# KiCad board RX8-7(Finished_BeforeESPChange).kicad_pcb (continued)
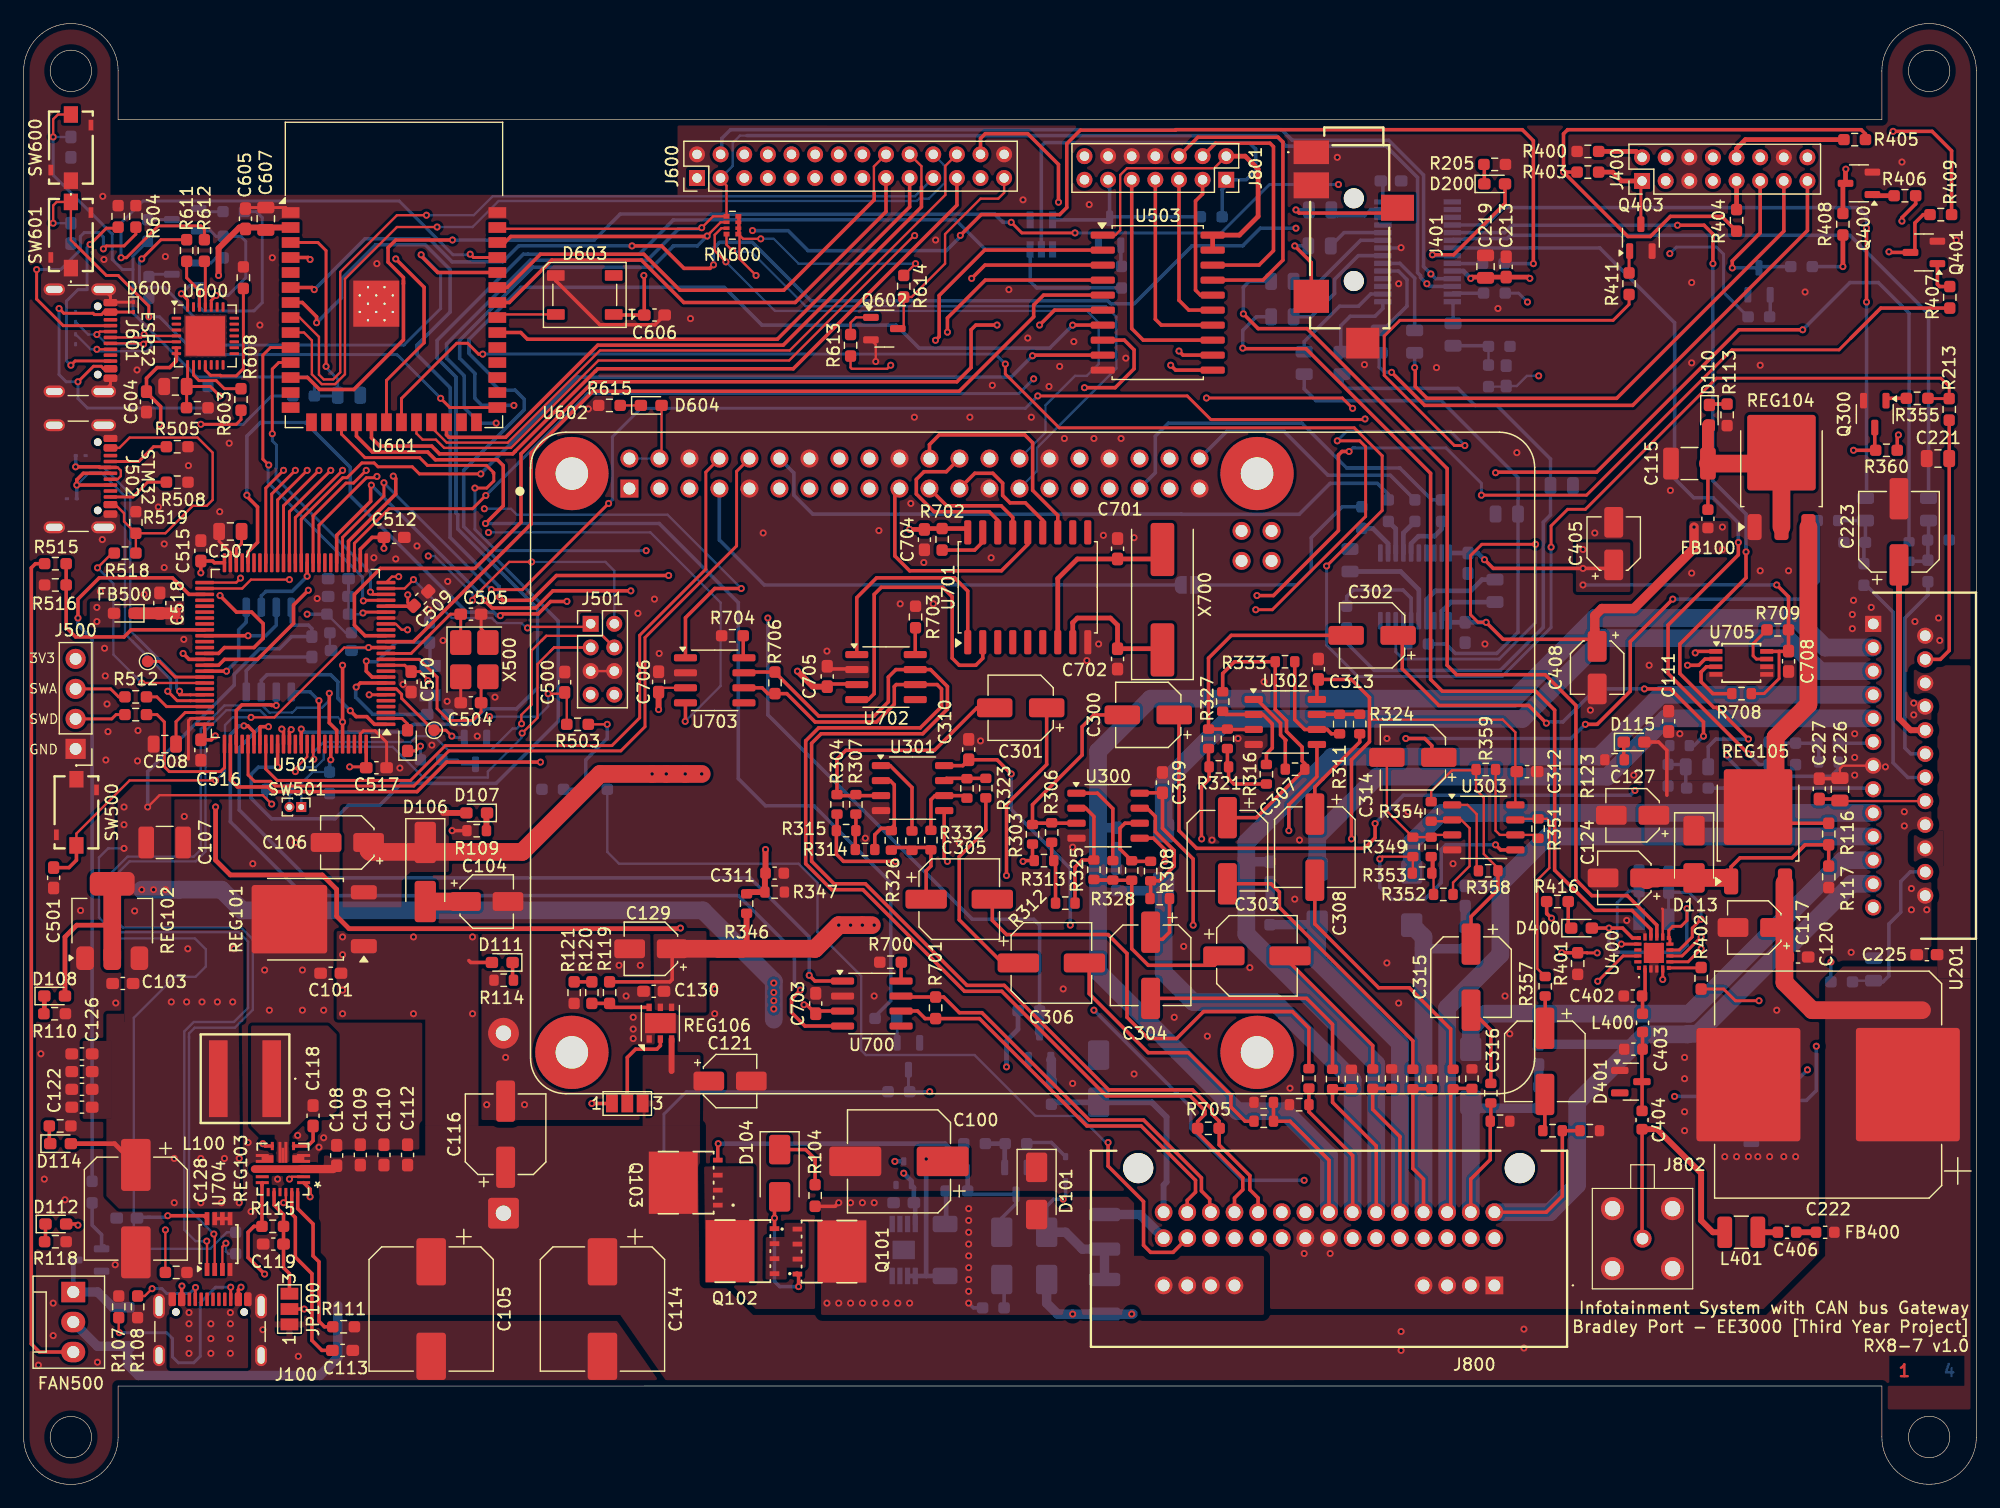
[diagram p0: board, top side]
## Routing (per net, layer and track width the routed paths; a pad name or vN(x,y) marks a point on that pad's centre or on a via; arc(x,y) is an arc through that point) (continued)
/MCU1/CCU_RX: length 36.4
  Top w0.3: U503.11 97.51,94.33 v1(97.1,94.74) ; J600.26 81,113.94 81.4,114.34 85,114.34 87.6,111.74 v1(87.6,108.54)
  In2.Cu w0.3: v1(97.1,94.74) 98.4,94.74 99.2,95.54 99.2,96.84 87.6,108.44 v1(87.6,108.54)
/MCU1/CCU_TX: length 32.8
  Top w0.3: U503.12 98.15,95.6 v1(97.8,95.94)
  In2.Cu w0.3: v1(97.8,95.94) 89.1,104.64 78.78,104.64 78.35,105.07 78.35,107.94 J600.25
/MCU1/ESP32_RX: length 28.9
  Top w0.25: v1(20.75,86.29) 20.25,86.79 20.25,95.59 20.9,96.24 U601.10 ; U501.22 28.8,74.84 v1(28.75,74.8)
  Bottom w0.25: v1(28.75,74.8) 28.7,74.85 28.7,76.79 28.36,77.13 28.36,77.15 28.04,77.47 28.02,77.47 20.7,84.79 20.7,86.24
/MCU1/ESP32_TX: length 25.5
  Top w0.25: U601.11 21.6,94.97 21.05,94.42 v1(21.05,88.94) ; U501.23 29.55,75.34 v1(29.35,75.54)
  Bottom w0.25: v1(21.05,88.94) 21.05,88.34 21.4,87.99 21.4,86.06 21.37,86.03 21.37,85.17 29.35,77.19 v1(29.35,75.54)
/MCU1/FAN_TACHO: length 17.7
  Top w0.3: R515.2 R516.1 3.6,72.54 4.4,71.74 8.5,71.74 9.1,72.34 U501.59
/MCU1/Illum_IN: length 95
  Top w0.3: v1(51.4,75.64) 44.8,75.64 43.35,74.19 39.65,74.19 v1(39,74.84) ; v1(29.43,84.59) 29.38,84.53 29.38,83.22 26.5,80.34 U501.31
  In2.Cu w0.3: v1(63,73.34) 53.7,73.34 v1(51.4,75.64)
  Bottom w0.3: R502.1 86,47.34 85.5,47.84 80.3,47.84 63,65.14 v1(63,73.34) ; v1(39,74.84) 39,75.02 v1(29.43,84.59)
  Bottom w0.8: Q500.1 R502.1
/MCU1/MT1_UH: length 70.7
  Top w0.25: U501.39 22.5,82.34 v1(26,85.84)
  In2.Cu w0.25: J600.9 65,107.54 66,106.54 66,99.59 64.43,98.02 36.08,98.02 33.75,95.69
  In2.Cu w0.3: v1(26,85.84) 26,93.13 27.91,95.04 33.11,95.04 33.75,95.69
/MCU1/MT1_UL: length 72.7
  Top w0.25: v1(27,85.84) 23,81.84 U501.38
  In2.Cu w0.2: J600.10 65.98,111.62 65.98,109.67
  In2.Cu w0.3: 65.98,109.67 65.98,107.47 66.9,106.54 66.9,99.24 65.2,97.54 36.61,97.54 33.31,94.24 29.2,94.24 27,92.04 v1(27,85.84)
/MCU1/MT1_VH: length 72
  Top w0.25: U501.41 21.5,83.34 v1(24,85.84)
  In2.Cu w0.3: J600.7 63,107.84 64.75,106.09 64.75,101.09 63.5,99.84 53.5,99.84 53.12,99.47 35.12,99.47 32.1,96.44 24.6,96.44 24,95.84 v1(24,85.84)
/MCU1/MT1_VL: length 73.3
  Top w0.25: U501.40 22,82.84 v1(25,85.84)
  In2.Cu w0.2: 64,109.24 64,111.59 J600.8
  In2.Cu w0.3: 64,109.24 64,107.74 65.38,106.36 65.38,100.22 64,98.84 57.8,98.84 57.3,99.34 55.3,99.34 54.6,98.64 35.3,98.64 32.4,95.74 27.9,95.74 25,92.84 v1(25,85.84)
/MCU1/MT1_WH: length 71.7
  Top w0.25: U501.43 20.5,84.34 v1(22,85.84)
  In2.Cu w0.3: J600.5 61,108.09 63.25,105.84 63.25,102.09 62.5,101.34 34.9,101.34 31.25,97.69 23.82,97.69 22,95.87 v1(22,85.84)
/MCU1/MT1_WL: length 74.5
  Top w0.25: U501.42 21,83.84 v1(23,85.84)
  In2.Cu w0.2: J600.6 62.02,111.57 62.02,108.32
  In2.Cu w0.3: v1(23,85.84) 23,96.16 23.88,97.04 31.6,97.04 35.15,100.59 63,100.59 64,101.59 64,105.84 62.02,107.82 62.02,108.32
/MCU1/MT2_UH: length 90.6
  Top w0.3: U501.63 16.5,70.34 17,70.84 19.5,70.84 20.28,71.62 20.28,72.87 19.3,73.84 18.02,73.84 v1(16.62,75.24)
  In2.Cu w0.3: v1(16.62,75.24) 16.62,78.27 21,82.64 30.21,82.64 41.31,93.74 68.5,93.74 71,96.24 J600.15
/MCU1/MT2_UL: length 66.4
  Top w0.3: v1(31.29,85.35) 31.5,85.14 31.5,83.84 27.5,79.84 U501.29
  In2.Cu w0.3: v1(31.29,85.35) 31.3,85.36 31.3,86.64 40,95.34 67.5,95.34 69.4,97.24 69.4,107.54 69,107.94 J600.13
/MCU1/MT2_VH: length 91
  Top w0.3: U501.64 14,69.84 v1(13.5,70.34)
  In2.Cu w0.2: J600.14 70,111.59 70,109.54
  In2.Cu w0.3: v1(13.5,70.34) 12.55,71.29 12.55,75.64 20.85,83.94 30.8,83.94 38.7,91.84 38.7,92.39 40.95,94.64 68.3,94.64 70.3,96.64 70.3,107.94 70,108.24 70,109.54
/MCU1/MT2_VL: length 70.6
  Top w0.25: v1(29.91,85.33) 29.91,85.25 29.87,85.22 29.01,85.22 25,81.21 U501.34
  In2.Cu w0.2: J600.12 68.02,111.57 68.02,110.02
  In2.Cu w0.3: v1(29.91,85.33) 30.5,85.92 30.5,88.34 38.5,96.34 67.25,96.34 68.5,97.59 68.5,107.44 68.02,107.92 68.02,110.02
/MCU1/MT2_WH: length 99.6
  Top w0.3: v1(24.1,75.69) 22.85,74.44 22.85,72.89 19.8,69.84 17,69.84 16.5,69.34 U501.65
  In2.Cu w0.2: 72,109.54 72,111.59 J600.16
  In2.Cu w0.3: 72,109.54 72,95.99 69.05,93.04 42.28,93.04 36.78,87.54 36.78,87.47 31.05,81.74 21.5,81.74 17.65,77.89 17.65,76.09 18.05,75.69 v1(24.1,75.69)
/MCU1/MT2_WL: length 67.6
  Top w0.25: v1(29,85.84) 27.92,84.77 27.29,84.77 24.5,81.98 U501.35
  In2.Cu w0.3: v1(29,85.84) 29,87.84 38.2,97.04 66.2,97.04 67.8,98.64 67.8,107.04 67,107.84 J600.11
/MCU1/NRST: length 40.9
  Top w0.2: v1(19.25,64.93) 21.22,64.93 27.13,70.84 v1(29.2,70.84) ; v1(16.25,59.59) 8.97,59.59 4.47,55.09 SW500.2
  Top w0.3: C501.2 3.84,52.21 4.47,52.84 SW500.2 ; U501.14 v1(29.2,70.84)
  Bottom w0.2: v1(16.25,59.59) 17.05,60.39 17.05,64.28 17.7,64.93 v1(19.25,64.93)
  Bottom w0.3: v1(29.2,70.84) 27.9,70.84 27.8,70.74
/MCU1/OUT1Hz: length 8.5
  Top w0.25: v1(36.25,63.34) 35.75,63.84 TP500.1 34.7,63.84 32,66.54 32,66.89 31.54,67.34 U501.7
  Bottom w0.25: Q502.2 36.36,63.23 v1(36.25,63.34)
/MCU1/OUT25MHz: length 5.4
  Top w0.25: U501.67 12.82,68.34 11.5,69.67 TP501.1
/MCU1/PA2: length 19.5
  Top w0.2: v1(42.65,72.51) 42.74,72.59 47.75,72.59 48,72.84 ; v1(33,76.59) 32.25,75.84 U501.24
  Bottom w0.2: v1(42.65,72.51) 42.55,72.51 42.14,72.91 40.08,72.91 39.89,73.1 39.88,73.1 39.64,73.34 36.25,73.34 v1(33,76.59)
/MCU1/PA3: length 28.4
  Top w0.2: v1(38,74.84) 38,74.99 41.1,78.09 v1(43,78.09) ; v1(31.75,76.84) 31.17,76.84 U501.25
  In2.Cu w0.2: v1(34.25,78.59) 33.5,78.59 v1(31.75,76.84)
  Bottom w0.2: v1(43,78.09) 49.25,78.09 50,77.34 50,72.84 ; v1(34.25,78.59) 34.79,78.59 38,75.39 v1(38,74.84)
/MCU1/PB4: length 41.4
  Top w0.2: 44.56,70.51 43.5,69.44 43.5,64.89 v1(42.2,63.59) ; 44.56,70.51 44.9,70.84 48,70.84 ; 44.56,70.51 44.91,70.85 J501.3 ; U501.90 24,61.59 23,60.59 v1(23,60.34)
  Bottom w0.2: v1(42.2,63.59) 42.15,63.54 42.15,63.19 39.3,60.34 39.3,59.84 33.83,59.84 31.23,62.44 25.7,62.44 25.4,62.14 25.4,61.37 24.73,60.71 23.36,60.71 v1(23,60.34)
/MCU1/PB5: length 37.9
  Top w0.2: 43.85,71.45 44.24,71.83 ; 43.85,71.45 43,70.59 43,66.01 42.13,65.15 42.13,64.41 v1(42.15,64.39) ; 43.85,71.45 44.24,71.83 49.01,71.83 50,70.84 ; v1(24.56,61.39) 24.5,61.45 U501.91 ; 49.02,71.83 J501.4
  Bottom w0.2: v1(42.15,64.39) 41.74,63.99 41.39,63.99 39.5,62.09 36,62.09 34.75,63.34 33.25,63.34 32.75,62.84 25.4,62.84 24.56,62.01 v1(24.56,61.39)
/MCU1/QSPI_CLK: length 6.7
  Top w0.3: v1(24,76.88) U501.36
  Bottom w0.3: v1(24,76.88) 22.71,75.59 20.5,75.59 20.11,75.21 U502.6
/MCU1/QSPI_CS: length 6.3
  Top w0.3: v1(25,66.34) U501.92
  Bottom w0.3: U502.1 24.26,67.08 v1(25,66.34)
/MCU1/QSPI_D0: length 8
  Top w0.3: U501.66 v1(17.17,68.84)
  Bottom w0.3: U502.5 18.84,72.99 18.2,72.34 18.2,69.87 v1(17.17,68.84)
/MCU1/QSPI_D1: length 7.6
  Top w0.3: U501.78 18,65.51 18.48,65.99 20.95,65.99 21,65.94 v1(21.38,65.94)
  Bottom w0.3: v1(21.38,65.94) U502.2
/MCU1/QSPI_D2: length 14.3
  Top w0.3: U501.1 29.7,64.34 29.05,64.99 28.15,64.99 v1(27.65,65.49)
  Bottom w0.3: v1(27.65,65.49) 26.6,66.54 26.6,67.94 26,68.54 20.6,68.54 20.11,68.06 U502.3
/MCU1/QSPI_D3: length 8
  Top w0.3: U501.60 v1(19,71.84)
  Bottom w0.3: U502.7 21.38,72.73 20.5,71.84 v1(19,71.84)
/MCU1/RS_MODE: length 104
  Top w0.3: v1(22.65,63.9) 22.5,63.75 U501.87 ; v1(78.2,97.54) 78.2,98.74 81.41,101.95 91.35,101.95
  In2.Cu w0.3: v1(22.65,63.9) 22.65,64.39 22.85,64.59 24.95,64.59 26.9,62.64 29.73,62.64 31.03,61.34 39.6,61.34 41.5,63.24 41.5,65.93 42,66.43 42,87.43 42.5,87.93 42.5,88.44 43.9,89.84 50.46,89.84 51.61,90.99 70.82,90.99 71.97,92.14 73.4,92.14 77.46,96.2 77.46,96.2 77.84,96.58 77.84,96.58 78.2,96.94 v1(78.2,97.54)
/MCU1/STM32_RX: length 61.1
  Top w0.25: U602.8 57.75,85.69 57.75,77.48 52.15,71.88 52.15,64.89 49.8,62.54 35.7,62.54 32.75,59.59 21.46,59.59 20.5,60.55 U501.83
/MCU1/STM32_TX: length 65
  Top w0.25: U501.80 19,60.06 19.54,59.52 20.9,59.52 21.3,59.12 33.03,59.12 36,62.09 50.55,62.09 52.6,64.14 52.6,71.69 60.35,79.44 60.35,85.75 U602.10
/MCU1/U1LCD_CS: length 76.9
  Top w0.3: U501.15 33,71.34 42.96,81.3 42.96,87.3 48.2,92.54 79.2,92.54 85.5,98.84 85.5,99.84 86.34,100.68 U503.5
/MCU1/U1LCD_EN: length 135.5
  Top w0.3: v1(21.5,60.72) U501.85 ; v1(88.8,98.14) U503.7
  Bottom w0.3: v1(88.8,98.14) 86.86,96.19 75.8,96.19 73.85,98.14 62.5,98.14 59.3,101.34 42.11,101.34 37.7,96.93 37.7,95.74 39.45,93.99 39.45,93.49 40.3,92.64 41.6,92.64 42.38,91.87 42.38,90.97 37.25,85.84 37.25,81.09 45.25,73.09 45.25,64.59 40,59.34 32,59.34 30.15,57.49 27.5,57.49 26.35,56.34 21,56.34 19.25,58.09 19.25,60.09 19.88,60.72 v1(21.5,60.72)
/MCU1/U1LCD_MOSI: length 84.2
  Top w0.3: v1(82.4,98.14) 80.6,98.14 80.2,97.74 80.2,94.54 79,93.34 48.2,93.34 42.1,87.24 42.1,81.44 38.2,77.54 30.2,77.54 28,75.34 28,72.74 28.9,71.84 U501.16 ; 91.35,99.41 87.26,99.41 v1(86,98.14)
  In2.Cu w0.3: v1(82.4,98.14) v1(86,98.14)
/MCU1/U1LCD_SCK: length 120
  Top w0.3: U501.46 19,78.94 19.8,79.74 19.8,82.74 18.9,83.64 v1(18.9,83.74) ; v1(80.25,102.09) 81.38,103.22 U503.3 ; v1(45.99,74.75) 45.98,74.74 44.61,74.74 43.56,73.69 40.5,73.69 v1(40.35,73.54)
  In2.Cu w0.3: v1(45.99,74.75) 45.1,75.64 45.1,76.94 44.3,77.74 44.3,81.84 42.6,83.54 42.6,87.32 44.31,89.02 50.38,89.02 51.75,90.39 73.7,90.39 80.25,96.94 v1(80.25,102.09)
  Bottom w0.3: v1(18.9,83.74) 18.9,88.74 20.05,89.89 23.87,89.89 27.65,86.11 27.65,83.69 37.5,73.84 39.78,73.84 40.06,73.56 40.34,73.56 v1(40.35,73.54)
/MCU1/UART7_RX: length 78.1
  Top w0.25: v1(38.7,85.54) 33.5,85.54 32.9,86.14 30,86.14 29.67,86.47 28.63,86.47 27.37,85.22 27.01,85.22 23.5,81.71 U501.37
  Top w0.3: U503.9 85.46,95.6 v1(85.4,95.54)
  Bottom w0.3: v1(38.7,85.54) 39.9,86.74 39.9,86.76 46.88,93.74 83.6,93.74 v1(85.4,95.54)
/MCU1/UART7_TX: length 111.7
  Top w0.3: v1(89.8,92.84) 92.4,92.84 94,94.44 94,96.04 93.18,96.87 91.35,96.87 ; U501.77 17.5,59.64 18.1,59.04 20.7,59.04 21.1,58.64 33.3,58.64 35.8,61.14 v1(43.75,61.14)
  In2.Cu w0.3: 50.17,87.81 50.17,78.01 43.75,71.59 v1(43.75,61.14) ; 50.17,87.81 50.47,88.12 ; 50.17,87.81 50.47,88.12 ; 50.47,88.12 51.9,89.54 86.2,89.54 89.5,92.84 v1(89.8,92.84)
/MCU1/USB_CC1: length 5.3
  Top w0.25: J502.A5 9.75,86.59 11,87.84 R505.1
/MCU1/USB_CC2: length 5.3
  Top w0.25: J502.B5 9.25,83.59 10.5,84.84 R508.1
/MCU1/USB_DN: length 32.8
  Top w0.2: J502.A7 7.96,85.09 8.23,85.36 8.23,85.83 7.96,86.09 J502.B7
  Top w0.25: U501.70 13.21,66.84 13.2,66.85 v1(13.2,67.14)
  Top w0.3: v1(4.4,86.14) 6.4,86.14 6.45,86.09 J502.B7
  Bottom w0.2: v1(4.4,86.14) 6.72,86.14 9.03,83.84 9.03,72.27 9.58,71.72
  Bottom w0.25: v1(13.2,67.14) 12.95,67.39 12.95,68.35 9.58,71.72
  Bottom w0.3: D502.2 4.41,86.35 4.4,86.34 v1(4.4,86.14)
/MCU1/USB_DP: length 34.6
  Top w0.25: v1(12.2,67.14) 13,66.34 U501.71
  Top w0.3: J502.A6 5.05,85.59 4.5,85.04 v1(4.5,84.59) J502.B6
  Bottom w0.2: v1(4.5,84.59) 5.6,85.69 6.53,85.69 8.58,83.65 8.58,72.01 9.22,71.37
  Bottom w0.25: 9.22,71.37 12.45,68.14 12.45,67.39 v1(12.2,67.14)
  Bottom w0.3: D503.2 v1(4.5,84.59)
/MCU1/WheelButton_IN: length 23.8
  Top w0.2: R503.2 45.97,66.87 C500.1 45.69,66.93 v1(44.4,66.93) ; U501.18 31.51,72.84 32,72.35 32.49,72.35 v1(32.5,72.34)
  In2.Cu w0.2: v1(39.44,64.99) 38.09,66.34 37.2,66.34 36.5,67.04 35.76,67.04 35,67.8 35,69.84 v1(32.5,72.34)
  Bottom w0.2: v1(44.4,66.93) 44.4,65.86 43.53,64.99 v1(39.44,64.99)
/MCU2/CLCD_BACK: length 18
  Top w0.2: J600.27 83,109.34 82.5,108.84 81,108.84 78,105.84 78,103.34 75.18,100.52 R614.2 74.5,97.84 Q602.1
/MCU2/CLCD_DC: length 62.5
  Top w0.3: U601.19 29.44,88.6 30.15,87.9 34.55,87.9 35.2,87.24 41.4,87.24 41.6,87.44 41.6,87.45 48.39,94.24 48.4,94.24 48.6,94.44 65.15,94.44 79,108.29 J600.23
/MCU2/CLCD_RST: length 57
  Top w0.2: U601.23 34.53,89.48 35.81,88.19 40.99,88.19 48.79,95.99 64.85,95.99 78.02,109.17 78.02,111.62 J600.24
/MCU2/CS1: length 42.2
  Top w0.3: J600.19 75,108.14 63.8,96.94 42.65,96.94 42.08,97.51 U601.32
/MCU2/CS2: length 73.5
  Top w0.2: v1(35,106.44) 31.6,106.44 27.2,102.04 27.2,93.98 26.37,93.14 25.23,93.14 24.4,93.98 24.4,96.84 23.73,97.51 U601.9
  Bottom w0.2: v1(35,106.44) 38,106.44 40.2,108.64 75.62,108.64 75.82,108.84 76.63,108.84 77.98,110.19 77.98,111.62 J600.22
/MCU2/CS3: length 70.5
  Top w0.2: v1(34.1,107.44) 31.6,107.44 26.8,102.64 26.8,94.14 26.2,93.54 25.4,93.54 25,93.94 25,97.14 23.36,98.78 U601.8
  Bottom w0.2: J600.21 75.45,109.04 39.7,109.04 38.1,107.44 v1(34.1,107.44)
/MCU2/LCD_PWM: length 67.4
  Top w0.2: U601.22 33.25,88.96 33.78,88.44 34.9,88.44 35.6,87.74 41.25,87.74 48.65,95.14 64.8,95.14 75.38,105.72 v1(75.42,105.72) ; v1(73.4,94.74) 73.1,94.44 70.1,94.44 70,94.54 R613.1
  In2.Cu w0.2: v1(75.42,105.72) 74.3,104.59 74.3,95.64 v1(73.4,94.74)
/MCU2/LED_DIN: length 5.1
  Top w0.2: U601.33 40.36,99.04 D603.4
/MCU2/PI_CS: length 14.5
  Top w0.3: U701.16 82.46,81.62 81.74,82.34 77.07,82.34 75.57,83.84 75.57,85.08 76.22,85.73 78.11,85.73 U602.24
/MCU2/PI_INT: length 19
  Top w0.3: U602.22 76.68,88.02 77.5,88.84 84.75,88.84 85.41,88.18 85.41,84.16 87.54,82.03 U701.12
/MCU2/PI_MISO: length 9.3
  Top w0.3: U701.15 83.73,81.86 82.75,82.84 78.14,82.84 U602.21
/MCU2/PI_MOSI: length 19.6
  Top w0.3: U602.19 73.75,83.91 73.75,78.59 75,77.34 82.77,77.34 85,79.57 U701.14
/MCU2/Pi_SCL: length 52.5
  Top w0.2: RN600.4 59.07,106.34 58.5,105.78 58.5,104.44 v1(59.45,103.49)
  Bottom w0.2: U602.28 86.5,89.04 86.5,91.34 89,93.84 90,93.84 91,94.84 91,98.34 90,99.34 63.6,99.34 v1(59.45,103.49)
/MCU2/PI_SCLK: length 10.9
  Top w0.3: U701.13 86.27,81.62 84.79,83.09 83.5,83.09 82.87,83.72 82.87,84.76 82.04,85.59 80.51,85.59 U602.23
/MCU2/Pi_SDA: length 54.4
  Top w0.2: RN600.5 59.5,104.94 v1(60,104.44)
  Bottom w0.2: v1(60,104.44) 60.1,104.34 61.6,104.34 66.2,99.74 91.6,99.74 92.5,98.84 92.5,94.48 85.78,87.75 85.78,85.78 U602.27
/MCU2/U6_EN: length 62.6
  Top w0.2: SW600.2 2.9,115.97 2.5,115.57 v1(2.5,114.07)
  Top w0.25: U601.3 24.91,105.13 25.6,104.44 v1(25.6,94.64)
  Bottom w0.2: C600.2 v1(2.5,114.07)
  Bottom w0.25: 9.25,102.84 9.25,99.18 14.67,93.76 24,93.76 24.61,93.14 R609.2 26.53,92.14 C603.1 26.59,93.55 25.6,94.54 v1(25.6,94.64) ; 9.25,102.84 8.36,102.84 7.5,103.71 7.5,105.84 2.5,110.84 v1(2.5,114.07) ; 9.25,102.84 9.25,103.98 R606.2
/MCU2/U6_GPIO0: length 51.9
  Top w0.2: 4.38,104.97 4,105.34 SW601.2 2.8,108.57 2.5,108.27 v1(2.5,106.77)
  Top w0.25: v1(10.6,98.84) 10.6,99.74 8,102.34 7,102.34 4.38,104.97 ; U601.27 36.08,91.16 v1(35.3,91.94)
  Bottom w0.2: v1(2.5,106.77) C602.2
  Bottom w0.25: v1(35.3,91.94) 31.6,95.64 14.7,95.64 11.5,98.84 v1(10.6,98.84) 10.6,100.42
/MCU2/U6_MISO: length 41.9
  Top w0.3: U601.34 41.11,100.05 44.7,103.64 52.29,103.64 55.88,100.05 65.31,100.05 73,107.74 J600.17
/MCU2/U6_MOSI: length 41.8
  Top w0.2: 72,109.34 71.98,109.37 71.98,111.57 J600.18
  Top w0.3: 72,109.34 72,108.74 64.35,101.09 55.55,101.09 52.5,104.14 43.75,104.14 40.93,101.32 U601.35
/MCU2/U6_SCLK: length 54.3
  Top w0.2: J600.20 76,111.59 76,109.84
  Top w0.3: 76,109.84 76,108.14 64.3,96.44 48.6,96.44 40.8,88.64 36,88.64 35.8,88.85 35.8,89.91
/MCU2/U6DTR: length 19.6
  Top w0.25: v1(13.35,100.79) 13.88,100.26 U600.28
  Bottom w0.25: R600.1 19.7,107.74 20.2,107.24 20.2,100.04 19.5,99.34 15.2,99.34 14.8,99.74 14.82,99.77 Q601.3 14.05,101.49 v1(13.35,100.79)
/MCU2/U6RTS: length 11.7
  Top w0.25: v1(16.3,100.64) 15.88,100.22 U600.24
  Bottom w0.25: v1(16.3,100.64) 17.3,100.64 18.8,102.14 18.8,105.24 18.39,105.66 R601.1 16.29,105.66 15.83,106.12 Q600.3
/MCU2/U6RXD: length 47.9
  Top w0.25: v1(10,103.74) 11.62,105.37 R611.2
  Top w0.3: U601.36 35.05,102.59 33.65,103.99 v1(33.65,104.09)
  Bottom w0.25: v1(33.65,104.09) 35.3,102.44 35.3,99.54 32.2,96.44 16.81,96.44 11.91,101.34 10.21,101.34 9.8,101.75 9.8,103.54 v1(10,103.74)
/MCU2/U6TXD: length 46.8
  Top w0.25: U601.37 38.08,103.86 v1(37.8,104.14) ; v1(8.25,103.84) 8.7,103.84 11.4,106.54 15,106.54 15.3,106.24 R612.2
  Bottom w0.25: v1(37.8,104.14) 37.75,104.09 36.35,104.09 31.8,108.64 10.1,108.64 8.25,106.79 v1(8.25,103.84)
/MCU2/USB2_CC1: length 22.3
  Top w0.25: J601.A5 3.35,98.09 1.1,100.34 v1(1.1,102.84) ; R604.1 9.5,105.84 8.5,104.84 7,104.84 v1(6.75,104.59)
  Bottom w0.25: v1(1.1,102.84) 3.14,102.84 4.8,104.5 4.8,105.64 5.13,105.97 6.37,105.97 6.75,105.59 v1(6.75,104.59)
/MCU2/USB2_CC2: length 18.1
  Top w0.25: R605.1 7.91,106.34 7,106.34 v1(5.62,104.97) ; J601.B5 7.34,95.1 4.36,95.1 v1(4,94.74)
  Bottom w0.25: v1(4,94.74) 3.63,95.12 3.63,100.17 4.6,101.14 5.37,101.14 5.37,104.72 v1(5.62,104.97)
/MCU2/USB2_D+: length 15.3
  Top w0.2: J601.A6 9.95,97.09 v1(10.2,97.34) 10.32,97.22 U600.4 ; J601.B6 v1(6.2,96.09)
  Bottom w0.2: D602.2 5.67,96.09 v1(6.2,96.09) 6.37,95.93 10.4,95.93 10.8,96.33 10.8,96.74 v1(10.2,97.34)
/MCU2/USB2_D-: length 13.5
  Top w0.2: J601.A7 10.15,96.59 10.15,96.59 v1(10.15,96.53) 10.35,96.72 U600.5 ; v1(6.2,97.34) 6.45,97.59 J601.B7
  Bottom w0.2: v1(10.15,96.53) 7.01,96.53 v1(6.2,97.34) 5.46,97.34 D601.2
/Power/ENABLE: length 148.4
  Top w0.3: JP101.1 v1(48.1,32.24) ; REG103.9 20.45,28.64 v1(20.25,28.84)
  In2.Cu w0.3: v1(88,24.14) 88,13.59 87,12.59 67.5,12.59 63.88,8.97 62.3,8.97 ; v1(20.25,28.84) 23,28.84 27.97,23.87 27.97,10.57 29.57,8.97 62.3,8.97 ; 62.3,8.97 62.3,29.84 59.9,32.24 v1(48.1,32.24)
  Bottom w0.3: D105.1 86.6,23.54 87.2,24.14 v1(88,24.14) 88.2,24.34 D100.2
  Bottom w0.8: R106.2 91.5,19.92 89.62,19.92 88.2,21.34 D105.1
/Power/PG_OUT: length 45
  Top w0.3: v1(4.6,21.94) 4.5,22.04 D112.2 ; v1(20.4,17.8) 19,19.2 19,21.34 19.5,21.84 R115.1 20.17,25.37 20.2,25.39 REG103.14
  In2.Cu w0.2: v1(20.4,17.8) 21.25,16.95 21.25,10.34 20.5,9.59 8.71,9.59 6.89,11.41 6.89,17.05 4.6,19.34 v1(4.6,21.94)
/SCL: length 334.3
  Top w0.2: 59.1,110.34 59.5,109.94 RN600.2 58.36,107.34 v1(57.4,106.38) 57.31,106.29 40.21,106.29 U601.39 ; v1(16.1,21.19) 16.17,21.12 U704.2
  Top w0.25: v1(142,46.34) 140.4,44.74 U400.8
  Top w0.3: v1(27,69.34) v1(27,64.54) U501.96 ; U705.2 142.32,69.87 141.8,69.34 v1(140.85,69.34)
  In2.Cu w0.25: v1(142,46.34) 140.2,46.34 137.6,48.94 137.6,51.74 134.4,54.94 134.4,62.89 v1(140.85,69.34) 137,73.19 137,82.59 134.25,85.34 134.25,98.59 131.5,101.34 119.08,101.34 v1(118.78,101.64)
  In2.Cu w0.3: v1(27,69.34) 27.3,69.04 29.7,69.04 31,70.34 31,71.84 32.3,73.14 34.8,73.14 40,78.34 v1(40,89.84)
  Bottom w0.2: v1(27,64.54) 26.6,64.94 20.6,64.94 20,65.54 17.17,65.54 15.4,63.78 15.4,53.58 14.57,52.74 8.97,52.74 7.4,51.18 7.4,48.14 8.4,47.14 18.4,47.14 19.4,46.14 19.4,46.11 19.4,46.11 19.4,40.18 17.88,38.66 14.48,38.66 14,38.18 14,37.74 ; v1(16.1,21.19) 14,23.29 14,37.94 ; 61.24,114.18 60.64,114.18 60.02,113.57 60.02,111.62 J600.3
  Bottom w0.3: v1(57.4,106.38) 57.31,106.29 55.45,106.29 52.8,103.64 42.9,103.64 35.8,96.54 35.8,95.34 37.3,93.84 37.3,91.14 38.6,89.84 v1(40,89.84) ; U200.26 119.01,101.42 118.25,102.17 118.25,102.33 118,102.58 118,110.64 115.34,113.29 106.89,113.29 106,114.18 61.24,114.18
/SDA: length 380.3
  Top w0.2: RN600.3 59,106.84 58.1,105.94 58.1,105.92 v1(57.86,105.68) ; v1(15.5,20.59) 15.52,20.57 U704.1
  Top w0.25: v1(142,45.34) 140.9,44.24 U400.7
  Top w0.3: U601.38 40.73,105.13 41.24,105.64 57.82,105.64 v1(57.86,105.68) ; v1(141.5,70.39) 141.5,70.44 141.57,70.52 U705.1 ; v1(25.88,66.97) 25.88,64.47 26.5,63.84 U501.95
  In2.Cu w0.2: v1(57.86,105.68) 58,105.82 58,111.59 J600.4
  In2.Cu w0.25: v1(119.12,102.47) 118.69,102.47 118.13,101.91 118.13,101.37 118.66,100.84 129,100.84 133,96.84 133,85.09 136,82.09 136,76.09 133.25,73.34 133.25,55.17 137,51.42 137,46.34 138.25,45.09 141.74,45.09 v1(142,45.34)
  In2.Cu w0.3: v1(25.88,66.97) 26.7,66.14 27.92,66.14 30.22,63.84 30.22,63.62 31.5,62.34 32.5,62.34 34.15,63.99 39.75,63.99 40.5,64.74 40.5,66.34 41,66.84 41,87.84 41.5,88.34 v1(41.5,91.34) ; v1(141.5,70.39) 141.5,68.44 135.2,62.14 135.2,55.34 138.08,52.47 138.08,50.55 141.63,46.99 142.27,46.99 142.8,46.46 142.8,45.74 142.4,45.34 v1(142,45.34)
  Bottom w0.2: v1(25.88,66.97) 25.88,66.37 25.25,65.74 23.15,65.74 22.75,65.34 20.8,65.34 20.2,65.94 17,65.94 15,63.94 15,53.74 14.4,53.14 8.8,53.14 7,51.34 7,47.94 8.2,46.74 18.2,46.74 19,45.94 19,40.34 17.8,39.14 14.4,39.14 13.6,38.34 13.6,21.54 14.55,20.59 v1(15.5,20.59)
  Bottom w0.3: 59.1,112.88 59.1,113.94 59.84,114.68 106.5,114.68 107.39,113.79 115.55,113.79 118.5,110.84 118.5,103.09 v1(119.12,102.47) 119.53,102.07 U200.25 ; v1(57.86,105.68) 57.02,104.84 55,104.84 53.2,103.04 43.11,103.04 36.9,96.84 36.9,95.34 38.2,94.04 38.2,91.94 38.8,91.34 v1(41.5,91.34)
ACC: length 5.8
  Bottom w0.8: J800.23 94.5,22.84 R105.1
AMPSTATE: length 181.8
  Top w0.25: U601.21 31.98,91.93 36.66,96.6 37.59,96.6 38.51,95.68 v1(38.86,95.68) ; R355.1 161.22,91.92 R213.1 163,92.94 162.3,93.64 143.3,93.64 132.2,82.54 130.7,82.54 129.3,81.14 v1(129.3,79.34) ; v1(83.1,94.84) 83.1,94.01 87.66,89.44 112.64,89.44 115,87.08 115,82.44 v1(110.3,77.74)
  Bottom w0.25: v1(110.3,77.74) 110.3,71.04 112.95,68.39 125.15,68.39 129.3,72.54 v1(129.3,79.34) ; v1(38.86,95.68) 82.26,95.68 v1(83.1,94.84)
VREF: length 120.9
  Top w0.2: v1(114.8,52.94) 115,53.14 R349.1 117.6,51.79 R353.1
  Top w0.3: v1(124.6,54.14) 125.03,53.71 U303.5 ; U301.5 77.93,53.02 v1(78.2,52.74) ; R305.1 100.3,60.79 R321.1 100.35,59.69 99.7,59.04 99.7,54.66 v1(99.72,54.64) ; v1(84.6,52.74) 84.67,52.81 R313.1 85.4,52.96 R303.1 ; R304.1 68.85,55.39 R315.1 68.8,53.34 69.4,52.74 v1(73.8,52.74) ; v1(107.1,55.34) 107.1,57.54 109.47,59.92 U302.5 ; U300.5 95.64,54.7 96.6,53.74 v1(96.6,52.74)
  Top w0.5: R346.1 61.35,50.14 R347.2 62.75,51.69 C311.1 v1(62.8,53.74)
  In2.Cu w0.3: 99.6,52.74 99.72,52.86 v1(99.72,54.64) ; v1(107.1,55.34) 107.1,52.74
  In2.Cu w0.8: 106.2,52.74 v1(96.6,52.74) 63.6,52.74 62.8,53.54 v1(62.8,53.74) ; 106.2,52.74 114.6,52.74 v1(114.8,52.94) ; 106.2,52.74 107.1,52.74
  Bottom w0.3: v1(124.6,54.14) 120.4,54.14 120,53.74 120,50.94 118.6,49.54 115.8,49.54 114.8,50.54 v1(114.8,52.94)
Net-(C208-Pad1): length 1.8
  Bottom w0.8: R200.2 105.52,49.23 C208.1
Net-(C209-Pad1): length 1.8
  Bottom w0.8: R201.2 92.51,52.1 C209.1
Net-(C211-Pad1): length 1.9
  Bottom w0.8: C211.1 R202.2
Net-(C212-Pad1): length 1.8
  Bottom w0.8: C212.1 122.03,47.2 R203.2
Net-(C300-Pad1): length 72.1
  Top w0.3: C300.1 97.8,64.74 97.8,55.34 99.3,53.84 113.5,53.84 114.4,54.74 v1(114.4,55.94)
  In2.Cu w0.3: v1(144.2,61.74) 141.2,58.74 v1(136.4,58.74)
  Bottom w0.3: v1(136.4,58.74) 136,58.34 116.8,58.34 v1(114.4,55.94) ; R300.2 153.6,60.54 153,59.94 145.8,59.94 144.2,61.54 v1(144.2,61.74)
Net-(C301-Pad1): length 149.9
  Top w0.3: v1(83.2,51.54) 83.2,57.54 86.6,60.94 C301.1 ; v1(124.6,85.64) 124.65,85.69 133.15,85.69 145.2,97.74 v1(150.6,97.74)
  In2.Cu w0.3: v1(124.6,85.64) 124.6,83.14 124.9,82.84 124.9,76.44 121.4,72.94 121.4,54.34 118.6,51.54 v1(83.2,51.54)